# KiCad board Sentinel 65X - Prototype 4.kicad_pcb (continued)
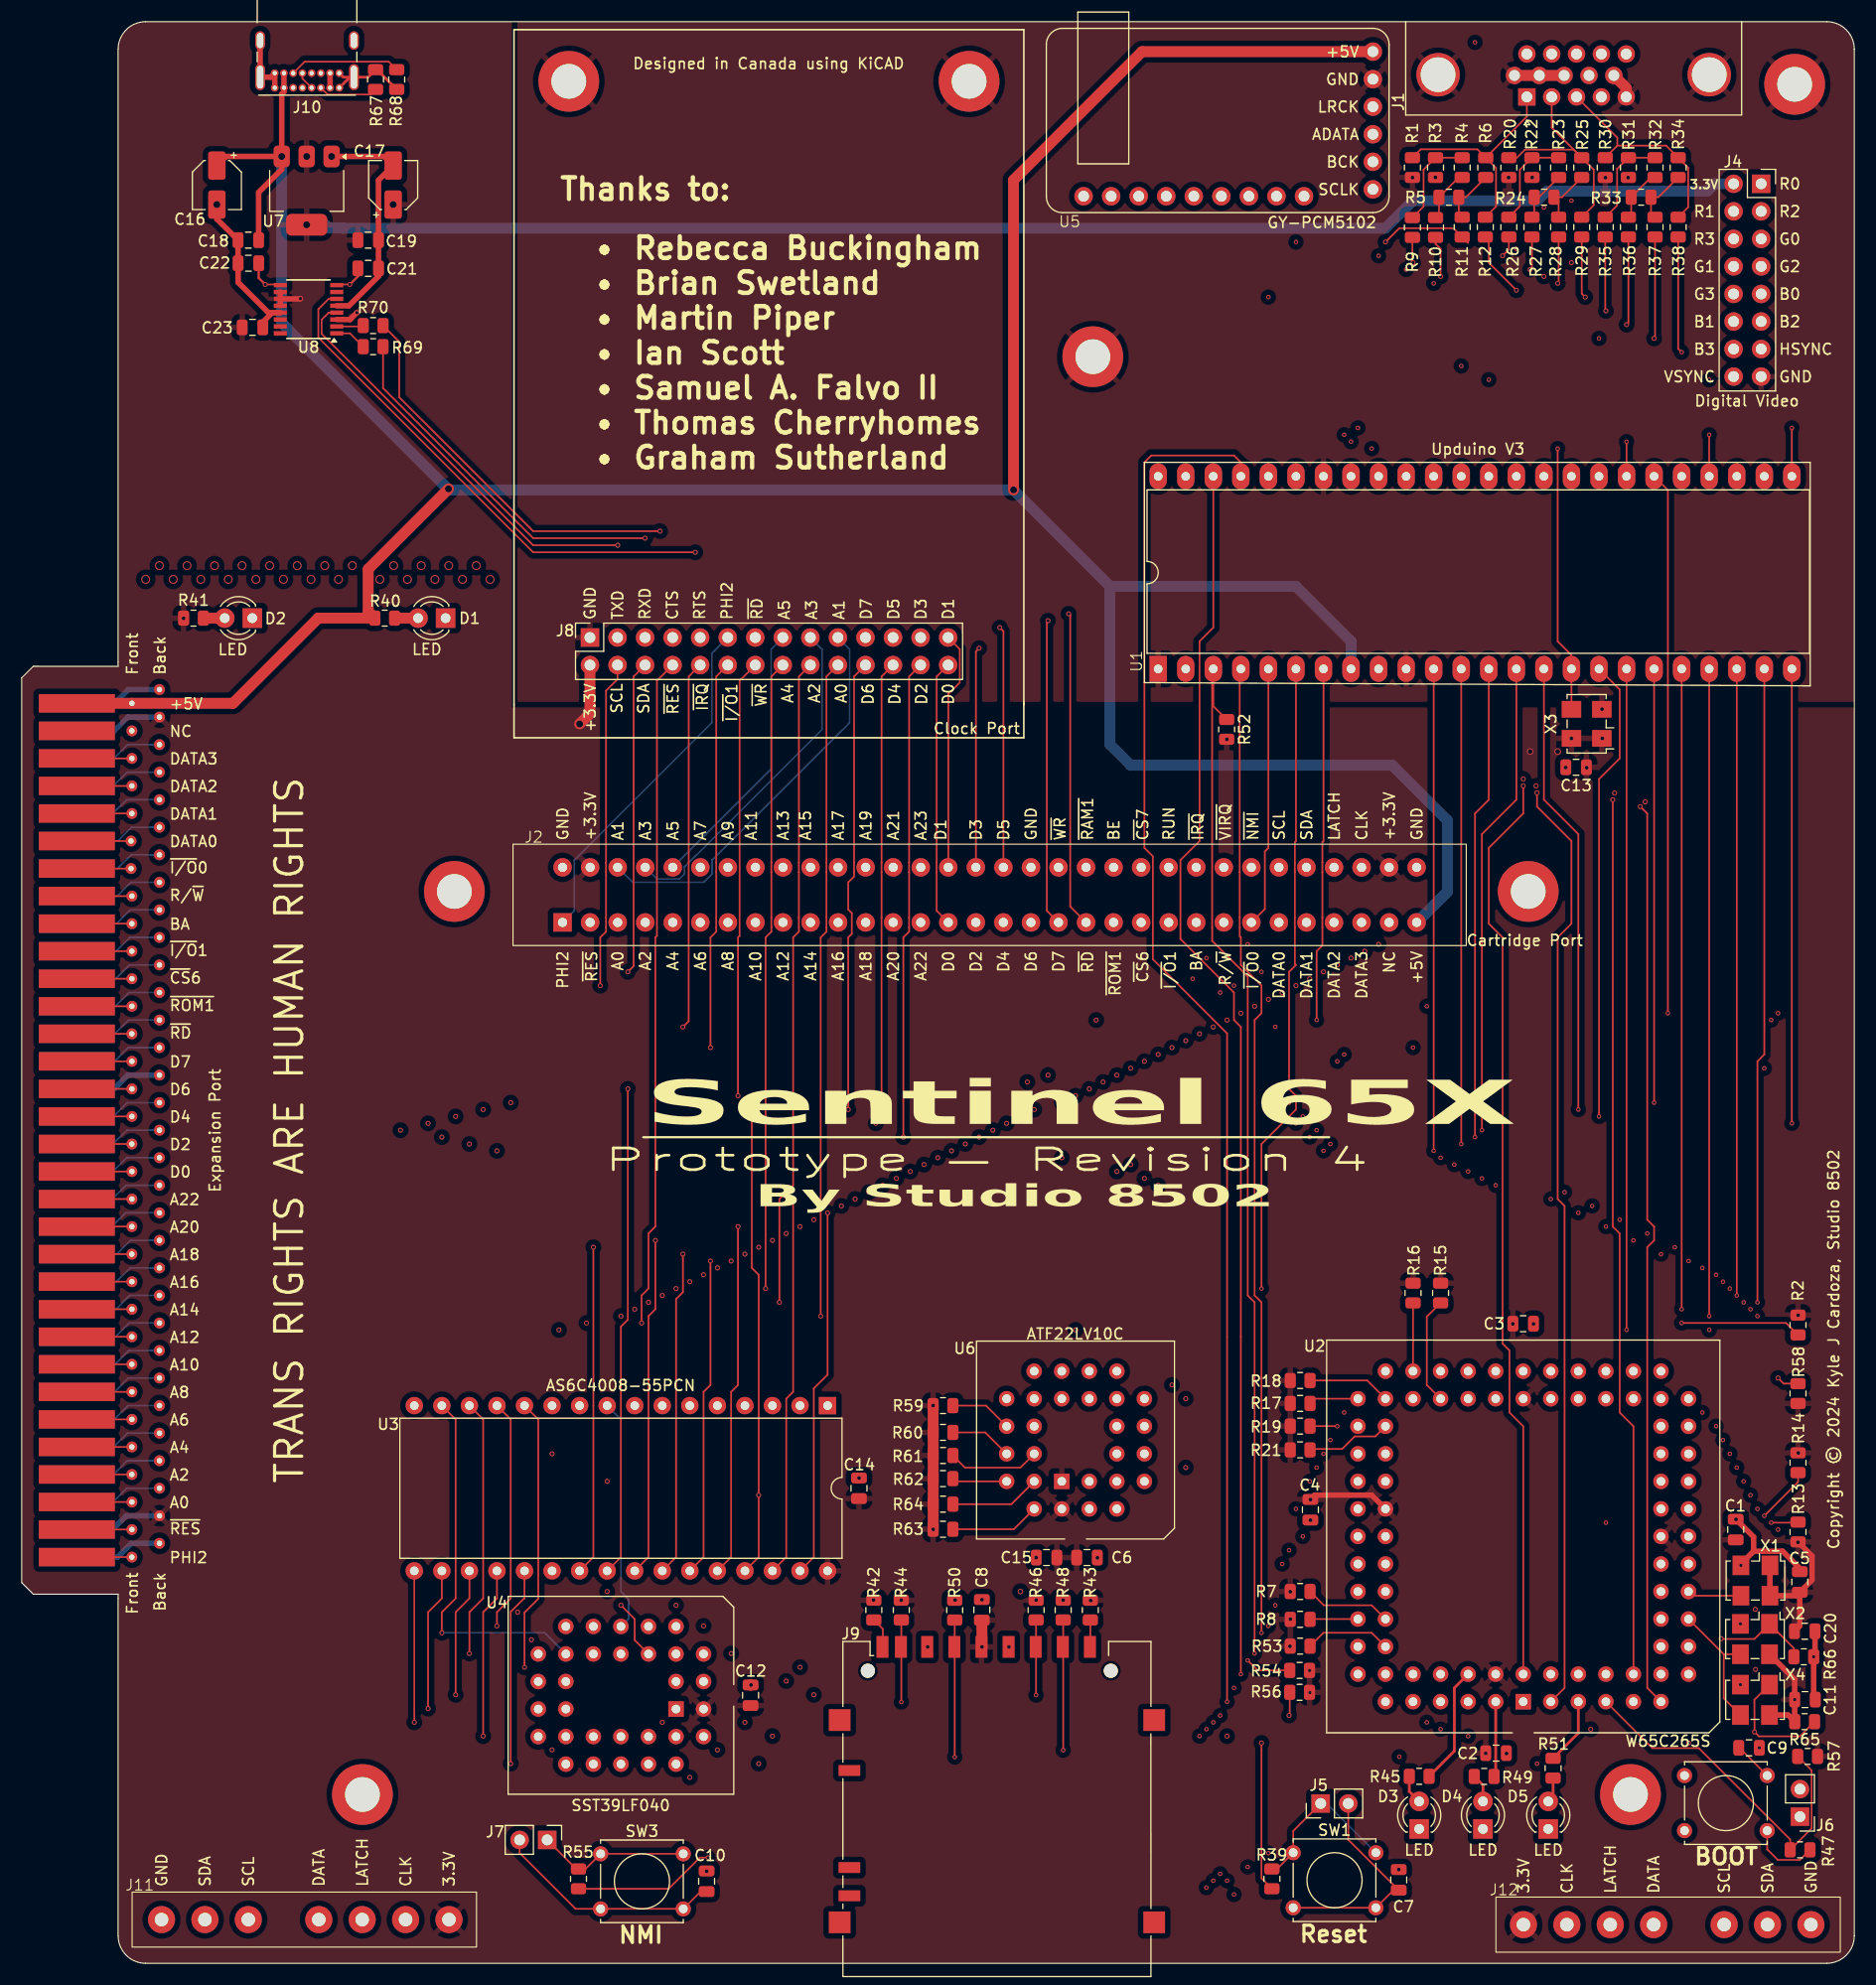
[diagram p0: board, top side]
## Footprints (pads in the part's own frame, mm; a bottom-side part is the same pattern mirrored in y, then rotated) (continued)
R_0805_2012Metric
  rrect 1.025x1.4 smd: 1(-0.912,0) 2(0.912,0)
SD_Hirose_DM1AA_SF_PEJ82
  round 1.3 hole 1.3 unplated: (-11.9,12.75) (10.5,12.75)
  rect 1.1x2 smd: 1(6.075,14.95) 2(3.575,14.95) 3(1.075,14.95) 4(-1.425,14.95) 5(-3.925,14.95) 6(-6.425,14.95) 7(-8.85,14.95) 8(-10.55,14.95) 9(8.575,14.95)
  rect 2x1 smd: CP(-13.6,3.55) SW(-13.6,-8) WP(-13.6,-5.4)
  rect 2x2 smd: SH(-14.5,8.2) SH(-14.5,-10.45) SH(14.5,8.2) SH(14.5,-10.45)
SNES Controller Port (Female, 90º, THT)
  round 2.5 hole 1.25: 1(-15.24,0) 2(-11.24,0) 3(-7.24,0) 4(-3.24,0) 5(3.26,0) 6(7.26,0) 7(11.26,0)
SOT-223-3_TabPin2
  rrect 2x1.5 smd: 1(-3.15,2.3) 2(-3.15,0) 3(-3.15,-2.3)
  rrect 2x3.8 smd: 2(3.15,0)
SSOP-16_3.9x4.9mm_P0.635mm
  rect 1.2x0.4 smd: 1(-2.6,2.223) 2(-2.6,1.587) 3(-2.6,0.953) 4(-2.6,0.318) 5(-2.6,-0.318) 6(-2.6,-0.953) 7(-2.6,-1.587) 8(-2.6,-2.223) 9(2.6,-2.223) 10(2.6,-1.587) 11(2.6,-0.953) 12(2.6,-0.318) 13(2.6,0.318) 14(2.6,0.953) 15(2.6,1.587) 16(2.6,2.223)
SW_Tactile_Straight_KSA0Axx1LFTR
  round 1.397 hole 0.813: 1(0,0) 1(7.62,0) 2(0,-5.08) 2(7.62,-5.08)
USB_C_Receptacle_GCT_USB4085
  round 0.7 hole 0.4: A1(0,0) A4(0.85,0) A5(1.7,0) A6(2.55,0) A7(3.4,0) A8(4.25,0) A9(5.1,0) A12(5.95,0) B1(5.95,-1.35) B4(5.1,-1.35) B5(4.25,-1.35) B6(3.4,-1.35) B7(2.55,-1.35) B8(1.7,-1.35) B9(0.85,-1.35) B12(0,-1.35)
  oval 0.9x2.4 hole 0.6x2.1: S1(-1.35,-0.98) S1(7.3,-0.98)
  oval 0.9x1.7 hole 0.6x1.4: S1(-1.35,-4.36) S1(7.3,-4.36)

## Nets
+3.3V: C1.1 C2.1 C3.1 C4.1 C5.1 C6.1 C8.1 C11.1 C12.1 C13.1 C14.1 C15.1 C17.1 C19.1 C20.1 C23.1 J2.a2 J2.a31 J3.a2 J3.a31 J4.2 J8.2 J9.4 J11.1 J12.1 R2.1 R7.1 R8.1 R13.2 R14.1 R15.2 R16.2 R17.2 R18.2 R19.2 R21.2 R41.1 R42.2 R43.2 R44.2 R46.2 R48.2 R52.2 R53.2 R54.2 R56.2 R57.2 R58.2 R59.2 R60.2 R61.2 R62.2 R63.2 R64.2 R65.2 U2.23 U2.44 U2.63 U2.84 U3.32 U4.32 U6.1 U6.28 U7.2 U8.3 U8.10 U8.11 U8.12 X1.1 X1.4 X2.4 X3.1 X3.4 X4.4
+5V: C16.1 C18.1 J2.b32 J3.b32 J10.A4 J10.A9 J10.B4 J10.B9 R40.1 U1.8 U5.6 U7.3
GND: C1.2 C2.2 C3.2 C4.2 C5.2 C6.2 C7.2 C8.2 C9.2 C10.2 C11.2 C12.2 C13.2 C14.2 C15.2 C16.2 C17.2 C18.2 C19.2 C20.2 C21.2 C22.2 C23.2 D1.1 D2.1 D3.1 D4.1 D5.1 H1.1 H3.1 H4.1 H5.1 H6.1 H7.1 H8.1 H9.1 J1.0 J1.5 J1.6 J1.7 J1.8 J1.10 J2.a1 J2.a18 J2.a32 J3.a1 J3.a18 J3.a32 J4.15 J8.1 J9.3 J9.6 J10.A1 J10.A12 J10.B1 J10.B12 J10.S1 J11.7 J12.7 R1.2 R3.1 R20.2 R22.1 R30.2 R31.1 R50.2 R66.2 R67.2 R68.2 U1.1 U1.10 U1.42 U2.1 U2.22 U2.43 U2.64 U3.16 U4.16 U5.5 U6.8 U6.14 U6.15 U6.22 U7.1 U8.5 U8.13 X1.2 X2.2 X3.2 X4.2
/A0: J2.b3 J3.b3 J8.20 U1.21 U2.24 U3.12 U4.12
/A1: J2.a3 J3.a3 J8.19 U1.20 U2.25 U3.11 U4.11
/A2: J2.b4 J3.b4 J8.18 U1.23 U2.26 U3.10 U4.10
/A3: J2.a4 J3.a4 J8.17 U1.22 U2.27 U3.9 U4.9
/A4: J2.b5 J3.b5 J8.16 U1.6 U2.28 U3.8 U4.8
/A5: J2.a5 J3.a5 J8.15 U2.29 U3.7 U4.7
/A6: J2.b6 J3.b6 U2.30 U3.6 U4.6
/A7: J2.a6 J3.a6 U2.31 U3.5 U4.5
/A8: J2.b7 J3.b7 U2.32 U3.27 U4.27
/A9: J2.a7 J3.a7 U2.33 U3.26 U4.26
/A10: J2.b8 J3.b8 U2.34 U3.23 U4.23
/A11: J2.a8 J3.a8 U2.35 U3.25 U4.25
/A12: J2.b9 J3.b9 U2.36 U3.4 U4.4
/A13: J2.a9 J3.a9 U2.37 U3.28 U4.28
/A14: J2.b10 J3.b10 U2.38 U3.3 U4.29
/A15: J2.a10 J3.a10 U2.39 U3.31 U4.3
/A16: J2.b11 J3.b11 U2.40 U3.2 U4.2
/A17: J2.a11 J3.a11 U2.41 U3.30 U4.30
/A18: J2.b12 J3.b12 U2.42 U3.1 U4.1
/A19: J2.a12 J3.a12 U2.45 U6.10
/A20: J2.b13 J3.b13 U2.46 U6.11
/A21: J2.a13 J3.a13 U2.47 U6.12
/A22: J2.b14 J3.b14 U2.48 U6.13
/A23: J2.a14 J3.a14 U2.49 U6.16
/ADATA: U1.31 U5.3
/B0: J4.9 R35.2 U1.26
/B1: J4.12 R36.2 U1.27
/B2: J4.11 R37.2 U1.32
/B3: J4.14 R38.2 U1.29
/BA: J2.b24 J3.b24
/BCK: U1.25 U5.2
/BE: J2.a21 J3.a21 R14.2 U2.17
/BL1: R45.1 U2.82
/BL2: R49.1 U2.83
/BL3: R51.1 U2.5
/BLUE: J1.3 R30.1 R34.1 R38.1
/CDONE: R53.1 U1.4 U2.73
/CLK: U2.18 X1.3
/CTS: J8.7 R70.2 U2.3
/D0: J2.b15 J3.b15 J8.28 U1.11 U2.58 U3.13 U4.13
/D1: J2.a15 J3.a15 J8.27 U1.12 U2.59 U3.14 U4.14
/D2: J2.b16 J3.b16 J8.26 U1.13 U2.60 U3.15 U4.15
/D3: J2.a16 J3.a16 J8.25 U1.14 U2.61 U3.17 U4.17
/D4: J2.b17 J3.b17 J8.24 U1.24 U2.62 U3.18 U4.18
/D5: J2.a17 J3.a17 J8.23 U1.17 U2.65 U3.19 U4.19
/D6: J2.b18 J3.b18 J8.22 U1.15 U2.66 U3.20 U4.20
/D7: J2.b19 J3.b19 J8.21 U1.19 U2.67 U3.21 U4.21
/D+: C21.1 J10.A6 J10.B6 U8.8
/D-: C22.1 J10.A7 J10.B7 U8.9
/FCLK: U2.16 X2.3 X4.3
/FCLK_FAST: R66.1 U2.9 X2.1
/FCLK_SLOW: R65.1 U2.6 X4.1
/FPGA_MISO: J9.7 R44.1 U1.45 U2.75
/FPGA_MOSI: J9.2 R46.1 U1.46 U2.74
/FPGA_SCK: J9.5 R50.1 U1.47 U2.52
/G0: J4.5 R26.2 U1.40
/G1: J4.8 R27.2 U1.39
/G2: J4.7 R28.2 U1.38
/G3: J4.10 R29.2 U1.44
/GREEN: J1.2 R20.1 R25.1 R29.1
/HSYNC: J1.13 J4.13 U1.37
/I2C_SCL: J2.a27 J3.a27 J8.4 J11.5 J12.5 R56.1 U2.77
/I2C_SDA: J2.a28 J3.a28 J8.6 J11.6 J12.6 R54.1 U2.76
/LRCK: U1.28 U5.4
/PHI2: J2.b1 J3.b1 J8.11 U1.18 U2.20 U6.2
/R0: J4.1 R9.2 U1.33
/R1: J4.4 R10.2 U1.34
/R2: J4.3 R11.2 U1.43
/R3: J4.6 R12.2 U1.35
/R/~{W}: J2.b25 J3.b25 R13.1 U1.7 U2.13 U6.3
/RED: J1.1 R1.1 R6.1 R12.1
/RTS: J8.9 U2.2 U8.6
/RUN: J2.a23 J3.a23
/RXD: J8.5 R69.2 U2.10
/SNES_CLK: J2.a30 J3.a30 J11.2 J12.2 U2.78
/SNES_DATA0: J2.b27 J3.b27 J11.4 U2.80
/SNES_DATA1: J2.b28 J3.b28 J12.4 U2.81
/SNES_DATA2: J2.b29 J3.b29
/SNES_DATA3: J2.b30 J3.b30
/SNES_LATCH: J2.a29 J3.a29 J11.3 J12.3 U2.79
/SYSCLK: U1.16 U5.1 X3.3
/TXD: J8.3 U2.11 U8.4
/VSYNC: J1.14 J4.16 U1.36
/~{BOOT_SEL}: R47.2 R57.1 U2.7
/~{CS}4: R17.1 U2.54 U6.6
/~{CS}5: R18.1 U2.55 U6.7
/~{CS}6: J2.b22 J3.b22 R19.1 U2.56 U6.9
/~{CS}7: J2.a22 J3.a22 R21.1 U2.57
/~{FPGA_RESET}: R52.1 U1.3 U2.72
/~{FPGA_SS}: U1.48 U2.53
/~{I/O}0: J2.b26 J3.b26 R15.1 U1.5 U2.50
/~{I/O}1: J2.b23 J3.b23 J8.12 R16.1 U2.51
/~{IRQ}: J2.a24 J3.a24 J8.10 R7.2 U2.71
/~{NMI}: J2.a26 J3.a26 R8.2 R55.2 U2.70
/~{RAM}0: R60.1 U3.22 U6.23
/~{RAM}1: J2.a20 J3.a20 R59.1 U6.21
/~{RD}: J2.b20 J3.b20 J8.13 R63.1 U3.24 U4.24 U6.26
/~{RES}: J2.b2 J3.b2 J8.8 R2.2 R39.2 U2.12
/~{ROM}0: R62.1 U4.22 U6.25
/~{ROM}1: J2.b21 J3.b21 R61.1 U6.24
/~{SD_SS}: J9.1 R48.1 U2.4
/~{VIRQ}: J2.a25 J3.a25 R58.1 U1.30 U2.8
/~{WR}: J2.a19 J3.a19 J8.14 R64.1 U3.29 U4.31 U6.27
Net-(D1-A): D1.2 R40.2
Net-(D2-A): D2.2 R41.2
Net-(D3-A): D3.2 R45.2
Net-(D4-A): D4.2 R49.2
Net-(D5-A): D5.2 R51.2
Net-(J5-Pin_1): J5.1 R39.1 SW1.1
Net-(J5-Pin_2): C7.1 J5.2 SW1.2
Net-(J6-Pin_1): J6.1 R47.1 SW2.1
Net-(J6-Pin_2): C9.1 J6.2 SW2.2
Net-(J7-Pin_1): J7.1 R55.1 SW3.1
Net-(J7-Pin_2): C10.1 J7.2 SW3.2
Net-(J9-DAT1): J9.8 R42.1
Net-(J9-DAT2): J9.9 R43.1
Net-(J10-CC1): J10.A5 R67.1
Net-(J10-CC2): J10.B5 R68.1
Net-(R3-Pad2): R3.2 R4.2 R9.1
Net-(R10-Pad1): R4.1 R5.2 R10.1
Net-(R11-Pad1): R5.1 R6.2 R11.1
Net-(R22-Pad2): R22.2 R23.2 R26.1
Net-(R23-Pad1): R23.1 R24.2 R27.1
Net-(R24-Pad1): R24.1 R25.2 R28.1
Net-(R31-Pad2): R31.2 R32.2 R35.1
Net-(R32-Pad1): R32.1 R33.2 R36.1
Net-(R33-Pad1): R33.1 R34.2 R37.1
Net-(U8-TXD): R69.1 U8.1
Net-(U8-~{RTS}): R70.1 U8.2

Pads without a net: J1 4 9 11 12 15; J2 b31; J3 b31; J9 CP SH SW WP; J10 A8 B8; U1 2 9 41; U2 14 15 19 21 68 69; U5 7 8 9 10 11 12 13 14 15; U6 4 5 17 18 19 20; U8 7 14 15 16

## Via types
v1: diameter 0.5, hole 0.35, F.Cu (SMD) to B.Cu (MISC), 45 vias
v2: diameter 0.45, hole 0.3, F.Cu (SMD) to B.Cu (MISC), 177 vias
v3: diameter 0.8, hole 0.65, F.Cu (SMD) to B.Cu (MISC), 34 vias
v4: diameter 0.6, hole 0.45, F.Cu (SMD) to B.Cu (MISC), 2 vias
v5: diameter 0.4, hole 0.25, F.Cu (SMD) to B.Cu (MISC), 136 vias

## Routing (per net, layer and track width the routed paths; a pad name or vN(x,y) marks a point on that pad's centre or on a via; arc(x,y) is an arc through that point)
+3.3V: length 213.3
  F.Cu (SMD) w0.5: C5.1 165.05,35.35 165.05,37.58 R13.2 ; C5.1 163.61,33.9 X1.4 X1.1 ; C5.1 163.93,31.12 C20.1 ; 134.78,19.58 134.99,19.36 v1(134.97,19.36) 134.97,19.39 C2.1 ; 137.32,58.83 137.46,58.97 v1(137.47,58.97) 137.47,58.98 C3.1 ; X4.4 162.85,22.9 R65.2 163.46,22.3 v2(163.46,24.32) 163.46,26.18 X2.4 ; U8.11 25.67,153.51 v2(25.7,153.54) ; U2.63 124.46,43.18 119.2,43.18 C4.1 118.82,42.8 v1(118.82,42.77) 118.79,42.77 119.04,43.02 ; U8.3 30.27,151.6 v2(30.9,152.24) ; U8.10 23.84,152.89
  F.Cu (SMD) w1: R63.2 v1(84.04,40.02) v1(84.03,51.44) R59.2 ; J8.2 52.39,115.25 v3(51.43,114.3) ; C8.1 v1(88.53,29.18) 88.52,29.2
  In3.Cu. (E-W) w1: U6.1 U6.28 ; v4(139.06,111.76) v4(141.61,111.76)
  B.Cu (MISC) w0.5: J3.a2 9.64,41.28 8.37,40 J3.a2 ; J3.a31 8.53,113.67 9.8,114.94 J3.a31
  B.Cu (MISC) w1: v3(26.27,160.34) 27.99,160.34 28.3,160.04 29.6,160.04 29.61,160.02 125.73,160.02 128.27,162.56 139.73,162.56 140.61,163.44 155.39,163.44 156.07,164.12 J4.2
  vias: v1(14.93,124.04) v1(78.53,33.51) v1(81.09,33.49) v1(93.53,33.51) v1(96.02,33.49) v1(98.55,33.46) v1(111.1,112.89) v1(116.95,34.27) v1(116.96,31.74) v1(116.93,29.23) v1(142.87,112.96) v1(144.28,110.27) v1(145.72,112.96) v1(163.76,38.83) v1(163.77,59.77) v1(163.8,47.07) v2(118.73,27) v2(118.76,24.96) v3(26.27,166.64) v3(34.24,162.2)
+5V: length 332.7
  F.Cu (SMD) w0.5: 17.99,165.8 18.83,166.64 v3(23.97,166.64) ; J10.B9 J10.A4 ; v3(23.97,166.64) 23.97,172.4 24.18,172.6 J10.A9 J10.B4 ; v3(23.97,166.64) 23.97,165.46 21.84,163.33 C18.1
  F.Cu (SMD) w1: v3(91.44,135.89) 91.44,164.47 103.28,176.31 U5.6 ; J3.b32 J3.b32 19.48,116.21 27.34,124.06 R40.1 31.94,124.67 31.94,128.58 v3(39.35,135.99)
  In1.Cu (GND) w0.5: J10.A4 28.43,171.1 v3(23.97,166.64)
  B.Cu (MISC) w1: U1.8 122.55,121.92 117.48,127 100.33,127 ; 100.33,127 v3(91.44,135.89) 39.37,135.89 23.97,151.29 v3(23.97,166.64) ; 100.33,127 100.33,112.4 102.23,110.49 126.36,110.49 131.44,105.41 131.44,98.83 128.61,96
GND: length 104.5
  F.Cu (SMD) w0.25: J10.A1 30.26,173.96 J10.S1 ; J10.S1 29.65,173.96 J10.B12 ; J10.S1 31.93,173.96 R67.2 32.75,174.65 R68.2
  F.Cu (SMD) w0.5: U8.5 30.17,152.87 32.89,155.6 C21.2 C19.2 32.89,164.45 34.24,165.8 33.41,166.64 v3(28.57,166.64) ; v2(158.5,36.7) 158.5,36.83 159.67,38 ; C11.2 165.21,24.47 v2(165.21,28.27) 165.33,28.39 C20.2 ; v3(17.99,162.2) 17.99,160.87 C18.2 19.94,156.8 C22.2 19.95,155.03 22.74,152.24 U8.13 23.1,152.24 22.23,151.36 C23.2 ; 159.67,38 162.35,38 163.93,36.42 C5.2 ; 159.67,38 159.67,39.32 v1(158.04,40.95) ; 142.35,110.6 C13.2 142.35,110.29 v1(142.34,110.28) 142.35,110.27 142.35,109.97 ; J10.S1 J10.S1 22.96,173.96 J10.B1 J10.A12
  F.Cu (SMD) w1: 67.1,25.67 67.2,25.67 v1(67.24,25.67) 67.19,25.67 C12.2 ; J1.8 J1.7 J1.6 ; J1.5 147.92,172.97 J1.10 ; v1(77.2,44.76) C14.2 77.19,44.76 v1(77.2,44.76)
  In1.Cu (GND) w0.5: J10.S1 J10.S1
  B.Cu (MISC) w0.5: J3.a18 8.51,80.65 9.78,81.91 J3.a18 ; J3.a1 10.1,38.74 8.83,37.47 J3.a1 ; J3.a32 9.84,117.48 8.57,116.21 J3.a32
  vias: v1(63.15,8.5) v1(83.52,29.18) v1(86.05,33.51) v1(88.53,33.53) v1(91.02,29.18) v1(93.52,37.42) v1(99.17,37.4) v1(118.82,40.87) v1(126.95,8.65) v1(128.22,164.7) v1(130.33,164.71) v1(136.89,19.35) v1(137.08,164.7) v1(139.26,164.7) v1(139.38,58.96) v1(145.69,115.67) v1(146.01,164.69) v1(148.1,164.69) v2(138.43,109.23) v2(139.61,108.58) v2(146.85,107.93) v2(149.67,107.12) v2(158.45,31.3) v2(158.45,25.7) v2(160.2,19.87) v3(11.43,127.64) v3(12.7,128.91) v3(13.97,127.64) v3(15.24,128.91) v3(16.51,127.64) v3(17.78,128.91) v3(19.05,127.64) v3(20.32,128.91) v3(21.59,127.64) v3(22.86,128.91) v3(24.13,127.64) v3(25.4,128.91) v3(26.67,127.64) v3(27.94,128.91) v3(29.21,127.64) v3(30.48,128.91) v3(33.02,127.64) v3(34.29,128.91) v3(35.56,127.64) v3(36.83,128.91) v3(38.1,127.64) v3(39.37,128.91) v3(40.64,127.64) v3(41.91,128.91) v3(43.18,127.64)
/A0: length 387.7
  F.Cu (SMD) w0.15: J3.b3 J3.b3 ; v2(46.36,27.31) 46.36,32.35 47.62,33.62 47.62,50.16 U3.12 ; U1.21 v5(155.57,59.69) ; J8.20 74.19,118.68 74.19,101.53 74.19,101.52 74.19,100.63 74.19,100.63 74.19,96.45 74.19,96.44 74.19,95.55 74.19,95.55 74.19,95.15 73.66,94.62 v2(73.66,59.69)
  In2.Cu (N-S) w0.15: U3.12 48.26,53.34 49.53,53.34 55.24,59.06 v2(55.24,59.69) 55.24,94.62 54.95,94.91 54.95,96 ; v5(160.02,41.91) v5(160.02,59.69)
  In3.Cu. (E-W) w0.15: J3.b3 12.7,42.55 29.84,59.69 v5(160.02,59.69) ; U2.24 v5(160.02,41.91) ; U4.12 51.48,27.31 v2(46.36,27.31)
/A1: length 365.1
  F.Cu (SMD) w0.15: U1.20 v5(153.04,60.33)
  In2.Cu (N-S) w0.15: v2(45.72,32.39) 45.72,33.02 47.62,34.93 47.62,50.16 U3.11 56.52,59.06 v2(56.52,60.33) 56.52,94.62 56.41,94.72 56.41,95.55 56.41,95.55 56.41,96.44 56.41,96.45 56.41,99.61 54.95,101.08 ; v5(159.38,43.18) v5(159.38,60.33)
  In3.Cu. (E-W) w0.15: J3.a3 29.21,60.33 v5(159.38,60.33) ; U4.11 51.39,32.39 v2(45.72,32.39) ; U2.25 152.4,43.18 v5(159.38,43.18)
  B.Cu (MISC) w0.15: 54.95,101.08 56.32,99.7 62.87,99.7 63.64,100.47 63.64,101.74 76.32,114.42 76.32,121.2 J8.19 ; J3.a3 9.68,43.81 8.41,42.55 J3.a3
/A2: length 381.3
  F.Cu (SMD) w0.15: v5(160.02,60.96) 160.02,83.19 160.65,83.82 U1.23 ; J3.b4 J3.b4 ; v2(69.85,60.96) 69.85,70.49 71.12,71.75 71.12,94.62 71.65,95.15 71.65,95.55 71.65,95.55 71.65,96.44 71.65,96.45 71.65,100.63 71.65,100.63 71.65,101.52 71.65,101.53 71.65,118.68 J8.18
  In2.Cu (N-S) w0.15: v2(46.99,29.84) 46.99,31.75 50.16,34.93 50.16,50.16 U3.10 57.79,57.78 v2(57.79,60.96) 57.79,94.62 57.49,94.91 57.49,96 ; v5(158.75,44.45) v5(158.75,60.96)
  In3.Cu. (E-W) w0.15: J3.b4 12.46,45.09 28.33,60.96 v5(160.02,60.96) ; U2.26 v5(158.75,44.45) ; U4.10 53.93,29.84 v2(46.99,29.84)
/A3: length 346.7
  F.Cu (SMD) w0.15: U1.22 v5(158.12,61.59)
  In2.Cu (N-S) w0.15: v5(158.12,45.72) v5(158.12,61.59) ; U3.9 59.05,56.52 v2(59.05,61.59) 59.05,94.62 58.56,95.11 58.56,100 57.49,101.08
  In3.Cu. (E-W) w0.15: U2.27 152.4,45.72 v5(158.12,45.72) ; J3.a4 27.94,61.59 v5(158.12,61.59)
  B.Cu (MISC) w0.15: J8.17 73.78,121.2 73.78,113.8 62.14,102.15 62.12,102.15 61.1,101.14 61.1,100.47 60.63,100 58.56,100 57.49,101.08 ; J3.a4 9.72,46.36 8.45,45.09 J3.a4 ; U4.9 55.96,31.78 55.96,33.58 55.24,34.29 55.24,50.16 U3.9
/A4: length 365.5
  F.Cu (SMD) w0.15: v2(55.24,33.02) 56.52,31.75 56.52,29.8 U4.8 ; v5(114.3,62.23) 114.3,75.56 117.48,78.74 117.48,80.01 116.84,80.65 116.84,91.44 117.48,92.08 117.37,92.18 117.37,95.55 117.37,95.55 117.37,96.44 117.37,96.45 117.37,100.63 117.37,100.63 117.37,101.52 117.37,101.53 117.37,103.4 117.48,103.51 U1.6 ; v2(68.58,62.23) 68.58,94.62 69.11,95.15 69.11,95.55 69.11,95.55 69.11,96.44 69.11,96.45 69.11,100.63 69.11,100.63 69.11,101.52 69.11,101.53 69.11,118.68 J8.16 ; J3.b5 J3.b5
  In2.Cu (N-S) w0.15: v5(157.48,46.99) v5(157.48,62.23) ; v2(55.24,33.02) 55.24,48.9 56.52,50.16 U3.8 60.33,55.25 v2(60.33,62.23) 60.33,94.62 60.03,94.91 60.03,96
  In3.Cu. (E-W) w0.15: U2.28 v5(157.48,46.99) ; J3.b5 12.7,47.62 27.3,62.23 v5(157.48,62.23)
/A5: length 276.6
  In2.Cu (N-S) w0.15: U4.7 57.79,50.16 U3.7 61.59,53.97 v2(61.59,62.87) 61.59,94.62 61.49,94.72 61.49,95.55 61.49,95.55 61.49,96.44 61.49,96.45 61.49,99.61 60.03,101.08 ; v5(156.84,48.26) v5(156.84,62.87)
  In3.Cu. (E-W) w0.15: v5(156.84,62.87) 26.67,62.87 J3.a5 ; U2.29 152.4,48.26 v5(156.84,48.26)
  B.Cu (MISC) w0.15: J3.a5 8.49,47.62 9.76,48.9 J3.a5 ; J8.15 69.09,121.2 69.09,110.14 60.03,101.08
/A6: length 242.9
  F.Cu (SMD) w0.15: J3.b6 J3.b6
  In2.Cu (N-S) w0.15: v5(156.21,49.53) v5(156.21,63.5) ; 62.57,96 62.57,94.91 62.86,94.62 v2(62.86,63.5) 62.86,52.71 U3.6 60.33,50.16 v2(60.33,33.02)
  In3.Cu. (E-W) w0.15: v2(60.33,33.02) 59.05,31.75 59.05,29.8 U4.6 ; U2.30 v5(156.21,49.53) ; J3.b6 12.7,50.16 26.03,63.5 v5(156.21,63.5)
/A7: length 247
  In2.Cu (N-S) w0.15: v5(154.94,50.8) v5(154.94,64.14) ; 62.57,101.08 64.03,99.61 64.03,96.45 64.03,96.44 64.03,95.55 64.03,95.55 64.03,94.72 64.14,94.62 v2(64.14,64.14) U3.5 62.86,50.16 v2(62.86,31.12)
  In3.Cu. (E-W) w0.15: v5(154.94,64.14) 25.4,64.14 J3.a6 ; U2.31 152.4,50.8 v5(154.94,50.8) ; U4.5 62.82,31.07 v2(62.86,31.12)
  B.Cu (MISC) w0.15: J3.a6 8.53,50.16 9.8,51.44 J3.a6
/A8: length 250.4
  F.Cu (SMD) w0.15: v2(63.5,64.77) 63.5,53.34 62.86,52.71 62.86,37.47 U3.27 ; J3.b7 J3.b7
  In2.Cu (N-S) w0.15: U3.27 v2(61.59,17.15) ; U2.32 v5(153.67,64.77) ; v2(65.4,64.77) 65.4,94.62 65.11,94.91 65.11,96
  In3.Cu. (E-W) w0.15: v5(153.67,64.77) 24.76,64.77 12.7,52.71 J3.b7 ; v2(61.59,17.15) 59.01,17.15 U4.27
/A9: length 246.8
  F.Cu (SMD) w0.15: U3.26 60.33,37.47 60.33,61.26 60.96,61.89 v2(60.96,65.41)
  In2.Cu (N-S) w0.15: U2.33 v5(151.13,65.41) ; U3.26 v2(59.05,22.22) ; 65.11,101.08 66.18,100 66.18,95.11 66.67,94.62 v2(66.67,65.41)
  In3.Cu. (E-W) w0.15: v2(59.05,22.22) 56.56,22.22 U4.26 ; J3.a7 24.13,65.41 v5(151.13,65.41)
  B.Cu (MISC) w0.15: J3.a7 8.57,52.71 9.84,53.97 J3.a7
/A10: length 248.7
  F.Cu (SMD) w0.15: U3.23 52.7,37.47 v2(52.7,66.04) ; J3.b8 J3.b8
  In2.Cu (N-S) w0.15: 67.65,96 67.65,94.91 67.95,94.62 v2(67.95,66.04) ; U3.23 51.43,34.93 48.89,32.39 v2(48.89,19.69) ; U2.34 152.4,53.34 v5(152.4,66.04)
  In3.Cu. (E-W) w0.15: U4.23 51.39,19.69 v2(48.89,19.69) ; J3.b8 12.7,55.25 23.5,66.04 v5(152.4,66.04)
/A11: length 245
  F.Cu (SMD) w0.15: v2(58.42,66.68) 58.42,60.33 57.79,59.69 57.79,37.47 U3.25
  In2.Cu (N-S) w0.15: 67.65,101.08 69.11,99.61 69.11,96.45 69.11,96.44 69.11,95.55 69.11,95.55 69.11,94.72 69.21,94.62 v2(69.21,66.68) ; U3.25 56.52,19.64 U4.25 ; U2.35 v5(148.59,66.68)
  In3.Cu. (E-W) w0.15: v5(148.59,66.68) 22.86,66.68 J3.a8
  B.Cu (MISC) w0.15: J3.a8 8.61,55.25 9.88,56.52 J3.a8
/A12: length 236.7
  F.Cu (SMD) w0.15: J3.b9 J3.b9
  In2.Cu (N-S) w0.15: v2(65.4,28.58) 65.4,50.16 U3.4 70.48,55.25 v2(70.48,67.31) 70.48,94.62 70.19,94.91 70.19,96 ; v5(149.86,67.31) 149.86,53.34 U2.36
  In3.Cu. (E-W) w0.15: v5(149.86,67.31) 22.18,67.31 12.65,57.78 J3.b9 ; U4.4 65.36,28.53 v2(65.4,28.58)
/A13: length 248.2
  F.Cu (SMD) w0.15: v2(66.04,67.94) 66.04,53.34 65.4,52.71 65.4,37.47 U3.28
  In2.Cu (N-S) w0.15: U3.28 v2(64.14,19.69) ; 70.19,101.08 71.26,100 71.26,95.11 71.76,94.62 v2(71.76,67.94) ; U2.37 v5(146.05,67.94)
  In3.Cu. (E-W) w0.15: v2(64.14,19.69) 59.01,19.69 U4.28 ; J3.a9 21.59,67.94 v5(146.05,67.94)
  B.Cu (MISC) w0.15: J3.a9 9.92,59.06 8.65,57.78 J3.a9
/A14: length 250.1
  F.Cu (SMD) w0.15: J3.b10 J3.b10
  In2.Cu (N-S) w0.15: 72.73,96 72.73,94.91 73.02,94.62 v2(73.02,68.58) 73.02,55.25 U3.3 69.21,43.18 67.95,41.91 v2(67.95,18.41) ; v5(147.32,68.58) 147.32,53.34 U2.38
  In3.Cu. (E-W) w0.15: U4.29 67.9,18.37 v2(67.95,18.41) ; J3.b10 12.7,60.33 20.95,68.58 v5(147.32,68.58)
/A15: length 244.2
  F.Cu (SMD) w0.15: v2(74.3,69.22) 74.3,54.29 73.02,53.02 73.02,37.47 U3.31
  In2.Cu (N-S) w0.15: U2.39 v5(143.51,69.22) ; U3.31 v2(71.76,27.31) ; v2(74.3,69.22) 74.3,94.62 74.19,94.72 74.19,95.55 74.19,95.55 74.19,96.44 74.19,96.45 74.19,99.61 72.73,101.08
  In3.Cu. (E-W) w0.15: J3.a10 20.32,69.22 v5(143.51,69.22) ; U4.3 61.64,27.31 v2(71.76,27.31)
  B.Cu (MISC) w0.15: J3.a10 9.96,61.59 8.69,60.33 J3.a10
/A16: length 241.3
  F.Cu (SMD) w0.15: J3.b11 J3.b11
  In2.Cu (N-S) w0.15: 75.27,96 75.27,94.91 75.57,94.62 v2(75.57,69.85) 75.57,55.25 U3.2 70.48,50.16 v2(70.48,26.03) ; U2.40 144.78,53.34 v5(144.78,69.85)
  In3.Cu. (E-W) w0.15: U4.2 65.36,25.99 66.04,26.67 69.85,26.67 v2(70.48,26.03) ; v5(144.78,69.85) 19.69,69.85 12.7,62.87 J3.b11
/A17: length 242.9
  F.Cu (SMD) w0.15: v2(71.12,70.49) 71.12,52.71 70.48,52.07 70.48,37.47 U3.30
  In2.Cu (N-S) w0.15: v2(76.83,70.49) 76.83,94.62 76.34,95.11 76.34,100 75.27,101.08 ; U2.41 v5(140.97,70.49) ; U3.30 v2(69.21,20.96)
  In3.Cu. (E-W) w0.15: v2(69.21,20.96) 69.17,20.91 U4.30 ; J3.a11 19.05,70.49 v5(140.97,70.49)
  B.Cu (MISC) w0.15: J3.a11 8.73,62.87 10,64.14 J3.a11
/A18: length 245.8
  F.Cu (SMD) w0.15: J3.b12 J3.b12
  In2.Cu (N-S) w0.15: v2(73.02,24.77) 73.02,50.16 U3.1 78.11,55.25 v2(78.11,71.12) 78.11,94.62 77.81,94.91 77.81,96 ; U2.42 142.24,53.34 v5(142.24,71.12)
  In3.Cu. (E-W) w0.15: J3.b12 12.7,65.41 18.41,71.12 v5(142.24,71.12) ; v2(73.02,24.77) 61.64,24.77 U4.1
/A19: length 205.5
  In2.Cu (N-S) w0.15: v2(79.37,71.75) 79.37,94.62 79.27,94.72 79.27,95.55 79.27,95.55 79.27,96.44 79.27,96.45 79.27,99.61 77.81,101.08 ; v2(104.77,71.75) 104.77,51.44 104.14,50.8 102.23,50.8 U6.10 ; U2.45 v5(135.89,71.75)
  In3.Cu. (E-W) w0.15: v5(135.89,71.75) 17.78,71.75 J3.a12
  B.Cu (MISC) w0.15: J3.a12 10.04,66.68 8.77,65.41 J3.a12
/A20: length 196.3
  F.Cu (SMD) w0.15: J3.b13 J3.b13
  In2.Cu (N-S) w0.15: v5(134.62,72.39) 134.62,53.34 U2.46 ; U6.11 v2(103.51,72.39) ; 80.35,96 80.35,94.91 80.64,94.62 v2(80.64,72.39)
  In3.Cu. (E-W) w0.15: J3.b13 12.7,67.94 17.14,72.39 v5(134.62,72.39)
/A21: length 195.9
  In2.Cu (N-S) w0.15: U6.12 v2(100.96,73.03) ; U2.47 v5(133.35,73.03) ; 80.35,101.08 81.81,99.61 81.81,96.45 81.81,96.44 81.81,95.55 81.81,95.55 81.81,94.72 81.92,94.62 v2(81.92,73.03)
  In3.Cu. (E-W) w0.15: v5(133.35,73.03) 16.51,73.03 J3.a13
  B.Cu (MISC) w0.15: J3.a13 9.58,69.22 8.31,67.94 J3.a13
/A22: length 195
  F.Cu (SMD) w0.15: J3.b14 J3.b14
  In2.Cu (N-S) w0.15: v5(132.08,73.66) 132.08,53.34 U2.48 ; U6.13 102.23,53.34 v2(102.23,73.66) ; v2(83.18,73.66) 83.18,94.62 82.89,94.91 82.89,96
  In3.Cu. (E-W) w0.15: v5(132.08,73.66) 15.87,73.66 12.7,70.49 J3.b14
/A23: length 194.1
  In2.Cu (N-S) w0.15: U6.16 v2(95.89,74.3) ; v2(84.45,74.3) 84.45,94.62 83.96,95.11 83.96,100 82.89,101.08 ; U2.49 v5(130.81,74.3)
  In3.Cu. (E-W) w0.15: J3.a14 15.24,74.3 v5(130.81,74.3)
  B.Cu (MISC) w0.15: J3.a14 9.62,71.75 8.35,70.49 J3.a14
/ADATA: length 57.8
  F.Cu (SMD) w0.15: U1.31 v5(147.95,140.34)
  In2.Cu (N-S) w0.15: U5.3 122.55,166.67 v5(122.55,140.34)
  In3.Cu. (E-W) w0.15: v5(147.95,140.34) v5(122.55,140.34)
/B0: length 40.2
  F.Cu (SMD) w0.15: v2(146.05,152.4) 145.99,152.46 R35.2
  In2.Cu (N-S) w0.15: J4.9 161,153.96 161.93,153.04 161.93,140.34 160.65,139.06 U1.26
  In3.Cu. (E-W) w0.15: J4.9 159.15,152.74 146.39,152.74 v2(146.05,152.4)
/B1: length 33.4
  F.Cu (SMD) w0.15: R36.2 148.12,151.3 v2(147.95,151.13)
  In2.Cu (N-S) w0.15: J4.12 159.1,150.15 159.1,140.05 158.12,139.06 U1.27
  In3.Cu. (E-W) w0.15: v2(147.95,151.13) 148.25,151.42 J4.12
/B2: length 37.7
  F.Cu (SMD) w0.15: v2(150.5,149.86) 150.58,149.95 R37.2
  In2.Cu (N-S) w0.15: U1.32 v5(145.42,149.86)
  In3.Cu. (E-W) w0.15: v5(145.42,149.86) 156.21,149.86 156.5,150.15 159.1,150.15 J4.11
/B3: length 27.1
  F.Cu (SMD) w0.15: v5(153.04,148.59) 152.71,148.91 R38.2
  In2.Cu (N-S) w0.15: U1.29 v5(153.04,148.59)
  In3.Cu. (E-W) w0.15: J4.14 156.5,148.88 156.21,148.59 v5(153.04,148.59)
/BA: length 118.1
  F.Cu (SMD) w0.15: J3.b24 J3.b24
  In2.Cu (N-S) w0.15: 108.29,96 108.29,94.91 108.58,94.62 v2(108.58,85.72)
  In3.Cu. (E-W) w0.15: v2(108.58,85.72) 22.86,85.72 12.7,95.89 J3.b24
/BCK: length 69.6
  F.Cu (SMD) w0.15: U1.25 v5(163.19,141.61)
  In2.Cu (N-S) w0.15: v5(123.19,141.61) 123.19,164.77 U5.2
  In3.Cu. (E-W) w0.15: v5(163.19,141.61) v5(123.19,141.61)
/BE: length 243.1
  F.Cu (SMD) w0.15: v5(160.65,41.28) 163.76,44.38 R14.2
  In2.Cu (N-S) w0.15: 100.67,101.08 102.13,99.61 102.13,96.45 102.13,96.44 102.13,95.55 102.13,95.55 102.13,94.72 102.23,94.62 v2(102.23,82.55) ; 159.81,32.65 159.81,32.65 v2(159.83,32.65) 159.83,32.67 160.65,33.5 v5(160.65,41.28) v5(160.65,82.55)
  In3.Cu. (E-W) w0.15: v5(160.65,82.55) v2(102.23,82.55) 19.69,82.55 J3.a21 ; v2(159.83,32.65) 154.9,32.65 154.55,33 152.38,33 U2.17
  B.Cu (MISC) w0.15: J3.a21 9.88,89.53 8.61,88.27 J3.a21
/BL1: length 10.9
  F.Cu (SMD) w0.25: U2.82 132.08,25.4 132.08,19.57 R45.1
/BL2: length 7
  F.Cu (SMD) w0.25: U2.83 135.89,17.38 R49.1
/BL3: length 6.2
  F.Cu (SMD) w0.25: R51.1 143.51,21.24 U2.5
/BLUE: length 19.9
  F.Cu (SMD) w0.15: 147.1,167.64 151.6,167.64 R34.1 153.64,165.6 153.64,161.96 R38.1 ; 147.1,167.64 R30.1 ; 147.1,167.64 147.1,168.37 J1.3
/CDONE: length 110.3
  F.Cu (SMD) w0.15: U1.4 112.29,119.28 112.29,100.63 112.29,100.63 112.29,96.45 112.29,96.44 112.29,95.55 112.29,95.55 112.29,94.72 112.39,94.62 112.39,92.08 114.3,90.17 114.3,87.63 113.67,87 113.67,61.59 114.3,60.96 v5(114.3,30.48) ; R53.1 120,30.48 124.46,30.48 U2.73
  In3.Cu. (E-W) w0.15: v5(114.3,30.48) 124.46,30.48 U2.73
/CLK: length 5
  F.Cu (SMD) w0.15: U2.18 154.06,33.9 X1.3
/CTS: length 222.1
  F.Cu (SMD) w0.15: U2.3 142.24,25.4 142.24,69.85 141.61,70.49 141.61,94.62 142.88,95.89 142.88,103.51 139.7,106.68 v2(139.7,107.95) ; v2(58.85,132.09) 47.15,132.09 34.8,144.44 34.8,149.55 R70.2
  In3.Cu. (E-W) w0.15: v2(139.7,107.95) 68.58,107.95 61.47,115.06 61.47,120.81 J8.7 58.85,123.43 v2(58.85,132.09)
/D0: length 298.5
  F.Cu (SMD) w0.15: v2(43.81,31.12) 43.81,32.39 45.08,33.66 45.08,50.16 U3.13 ; 85.43,96 84.35,97.07 84.35,100.63 84.35,100.63 84.35,101.52 84.35,101.53 84.35,118.68 J8.28 ; U1.11 v5(130.18,74.93) ; J3.b15 J3.b15
  In2.Cu (N-S) w0.15: 85.43,96 85.43,94.91 85.73,94.62 v2(85.73,74.93) ; v5(120.02,46.99) v5(120.02,74.93) ; U3.13 v2(43.81,74.93)
  In3.Cu. (E-W) w0.15: v2(43.81,31.12) 43.86,31.07 U4.13 ; U2.58 v5(120.02,46.99) ; v5(130.18,74.93) 14.61,74.93 12.7,73.03 J3.b15
/D1: length 308.1
  F.Cu (SMD) w0.15: 85.43,117.18 85.43,101.08 ; U1.12 v5(132.71,75.56) ; 86.48,118.12 85.43,117.06 ; 86.48,118.23 86.48,121.2 J8.27 ; v2(41.27,28.58) 41.27,32.39 42.55,33.66 42.55,50.16 U3.14
  In2.Cu (N-S) w0.15: U3.14 v2(41.27,75.56) ; 85.43,101.08 86.5,100 86.5,95.11 86.99,94.62 v2(86.99,75.56) ; v5(120.65,48.26) v5(120.65,75.56)
  In3.Cu. (E-W) w0.15: v5(132.71,75.56) 13.97,75.56 J3.a15 ; v5(120.65,48.26) 124.46,48.26 U2.59 ; U4.14 41.32,28.53 v2(41.27,28.58)
  B.Cu (MISC) w0.15: J3.a15 9.66,74.3 8.39,73.03 J3.a15
/D2: length 332.2
  F.Cu (SMD) w0.15: v2(81.28,76.2) 81.28,94.62 81.81,95.15 81.81,95.55 81.81,95.55 81.81,96.44 81.81,96.45 81.81,100.63 81.81,100.63 81.81,101.52 81.81,101.53 81.81,118.68 J8.26 ; v5(133.99,76.2) 133.99,106.05 135.25,107.32 U1.13 ; v2(38.73,30.48) 38.73,32.39 40,33.66 40,50.16 U3.15 ; J3.b16 J3.b16
  In2.Cu (N-S) w0.15: v2(88.27,76.2) 88.27,95.7 87.97,96 ; v5(118.74,44.45) v5(118.74,76.2) ; U3.15 v2(38.73,76.2)
  In3.Cu. (E-W) w0.15: J3.b16 12.7,75.56 13.34,76.2 v5(133.99,76.2) ; U2.60 v5(118.74,44.45)
  B.Cu (MISC) w0.15: U4.15 48.22,30.48 v2(38.73,30.48)
/D3: length 338.2
  F.Cu (SMD) w0.15: v2(88.27,121.29) 87.97,120.99 87.97,101.08 ; v5(134.62,76.84) 134.62,104.14 137.8,107.32 U1.14 ; U3.17 v2(36.19,22.22)
  In2.Cu (N-S) w0.15: 87.97,101.08 89.04,100 89.04,95.11 89.54,94.62 v2(89.54,76.84) ; v2(34.92,76.84) 34.92,37.47 U3.17 ; v5(119.38,45.72) v5(119.38,76.84)
  In3.Cu. (E-W) w0.15: v2(88.27,121.29) 88.18,121.2 83.94,121.2 J8.25 ; J3.a16 v5(134.62,76.84) ; v5(119.38,45.72) 124.46,45.72 U2.61 ; U4.17 52.03,24.13 52.07,24.13 52.07,22.86 51.43,22.22 v2(36.19,22.22)
  B.Cu (MISC) w0.15: J3.a16 9.7,76.84 8.43,75.56 J3.a16
/D4: length 368.3
  F.Cu (SMD) w0.15: U1.24 v5(163.19,77.47) ; v2(78.74,77.47) 79.27,78 79.27,96.44 79.27,96.45 79.27,100.63 79.27,100.63 79.27,101.52 79.27,101.53 79.27,118.68 J8.24 ; v2(37.47,23.5) 37.47,32.39 38.73,33.66 U3.18 ; J3.b17 J3.b17
  In2.Cu (N-S) w0.15: v2(37.47,77.47) 37.47,37.47 U3.18 ; 90.51,96 90.51,94.91 90.8,94.62 v2(90.8,77.47) ; v5(117.48,41.91) v5(117.48,77.47)
  In3.Cu. (E-W) w0.15: U4.18 37.51,23.45 v2(37.47,23.5) ; U2.62 v5(117.48,41.91) ; v5(163.19,77.47) 13.33,77.47 12.7,78.1 J3.b17
/D5: length 353
  F.Cu (SMD) w0.15: U1.17 147.32,117.48 147.32,111.12 145.42,109.22 v5(145.42,78.11) ; 90.51,101.08 90.51,122.85 v2(90.17,123.19) ; v2(40,24.77) 40,32.39 41.27,33.66 U3.19
  In2.Cu (N-S) w0.15: 90.51,101.08 91.97,99.61 91.97,96.45 91.97,96.44 91.97,95.55 91.97,95.55 91.97,94.72 92.08,94.62 v2(92.08,78.11) ; v5(118.11,39.37) v5(118.11,78.11) ; v2(40,78.11) 40,37.47 U3.19
  In3.Cu. (E-W) w0.15: v5(118.11,39.37) 120.65,39.37 121.92,40.64 124.46,40.64 U2.65 ; J3.a17 13.97,78.11 v5(145.42,78.11) ; J8.23 81.4,123.35 90.01,123.35 v2(90.17,123.19) ; U4.19 48.85,24.77 v2(40,24.77)
  B.Cu (MISC) w0.15: J3.a17 8.47,78.11 9.74,79.38 J3.a17
/D6: length 353.3
  F.Cu (SMD) w0.15: U3.20 43.81,33.66 42.55,32.39 v2(42.55,20.96) ; U1.15 140.33,107.32 143.51,104.14 v5(143.51,78.74) ; v2(76.2,78.74) 76.2,94.62 76.53,94.94 76.53,96.86 76.2,97.19 76.2,99.69 76.73,100.23 76.73,100.63 76.73,100.63 76.73,101.52 76.73,101.53 76.73,118.68 J8.22 ; J3.b18 J3.b18
  In2.Cu (N-S) w0.15: v5(116.2,36.83) v5(116.2,78.74) ; 93.05,96 93.05,94.91 93.34,94.62 v2(93.34,78.74) ; v2(42.55,78.74) 42.55,37.47 U3.20
  In3.Cu. (E-W) w0.15: J3.b18 12.7,80.65 14.61,78.74 v5(143.51,78.74) ; v2(42.55,20.96) 42.59,20.91 U4.20 ; U2.66 v5(116.2,36.83)
/D7: length 367.4
  F.Cu (SMD) w0.15: U3.21 46.36,33.66 46.32,33.66 45.08,32.42 v2(45.08,18.41) ; U1.19 v5(150.5,79.38) ; 95.59,96 94.51,97.07 94.51,100.63 94.51,100.63 94.51,101.52 94.51,101.53 94.51,123.72 v2(94.61,123.83) ; J3.b19 J3.b19
  In2.Cu (N-S) w0.15: v5(116.84,38.1) v5(116.84,79.38) ; 95.59,96 95.59,94.91 95.89,94.62 v2(95.89,79.38) ; v2(45.08,79.38) 45.08,37.47 U3.21
  In3.Cu. (E-W) w0.15: J3.b19 12.7,83.19 16.51,79.38 v5(150.5,79.38) ; J8.21 79.34,123.83 v2(94.61,123.83) ; v5(116.84,38.1) 124.46,38.1 U2.67 ; U4.21 45.13,18.37 v2(45.08,18.41)
/D+: length 24.3
  F.Cu (SMD) w0.15: J10.B6 25.88,173.83 J10.A6 ; v2(30.25,154.84) 29.1,154.84 U8.8
  F.Cu (SMD) w0.2: C21.1 30.99,155.58 v2(30.25,154.84)
  In2.Cu (N-S) w0.15: v2(30.25,154.84) 28.95,156.13 28.95,164.88 26.73,167.1 J10.A6
/D-: length 24.9
  F.Cu (SMD) w0.15: v2(22.45,154.84) 23.78,154.84 U8.9
  F.Cu (SMD) w0.2: v2(22.45,154.84) 21.85,155.43 C22.1
  In1.Cu (GND) w0.15: J10.A7 26.73,173.83 J10.B7
  In2.Cu (N-S) w0.15: J10.A7 25.88,167.17 23.75,165.04 23.75,156.13 v2(22.45,154.84)
/FCLK: length 12.4
  F.Cu (SMD) w0.15: X4.3 156.92,24.44 156.92,28.5 ; 156.92,28.5 X2.3 ; 156.92,28.5 U2.16
/FCLK_FAST: length 20.3
  F.Cu (SMD) w0.15: R66.1 163.38,29.05 X2.1 159.74,29.91 156.74,29.91 v2(156.68,29.94) 156.68,29.91 156.71,29.91
  In3.Cu. (E-W) w0.15: U2.9 149.85,25.39 149.85,26.71 151.41,28.27 155.01,28.27 v2(156.68,29.94)
/FCLK_SLOW: length 32
  F.Cu (SMD) w0.15: v2(159.75,21.34) 159.74,21.35 ; v2(159.75,21.34) 159.74,24.31 X4.1 ; v2(159.75,21.34) 160.16,20.94 163.94,20.94 R65.1
  In2.Cu (N-S) w0.15: v2(144.65,21.59) 144.65,25.53 U2.6
  In3.Cu. (E-W) w0.15: v2(159.75,21.34) 144.9,21.34 v2(144.65,21.59)
/FPGA_MISO: length 180.4
  F.Cu (SMD) w0.15: v5(81.09,24.1) R44.1 ; U1.45 112.39,138.43 111.76,139.06 104.14,139.06 103.51,138.43 103.51,102.87 104.28,102.09 104.28,92.6 111.12,85.76 v5(111.12,24.13)
  In3.Cu. (E-W) w0.15: v5(81.09,24.1) 81.12,24.13 v5(111.12,24.13) U2.75
/FPGA_MOSI: length 151.8
  F.Cu (SMD) w0.15: v5(112.39,26.67) 112.39,86.36 111.76,87 111.76,89.53 106.82,94.47 106.82,101.74 108.58,103.51 108.58,121.92 109.86,123.19 U1.46 ; R46.1 v5(93.52,24.73)
  In3.Cu. (E-W) w0.15: v5(93.52,24.73) 93.55,24.77 109.86,24.77 111.76,26.67 v5(112.39,26.67) 116.2,26.67 116.7,26.18 119.52,26.18 120.02,26.67 U2.74
/FPGA_SCK: length 186.9
  F.Cu (SMD) w0.15: v5(86.02,19.02) 86.02,31.67
  In2.Cu (N-S) w0.15: v5(127,19.05) 127,28.58 128.27,29.84 U2.52 127,53.34 127,91.44 130.18,94.62 130.18,113.03 128.9,114.3 128.9,120.65 127.64,121.92 121.92,121.92 107.32,136.53 U1.47
  In3.Cu. (E-W) w0.15: v5(127,19.05) 86.05,19.05 v5(86.02,19.02)
/G0: length 58.2
  F.Cu (SMD) w0.15: v2(136.52,157.48) 137.1,158.06 R26.2
  In2.Cu (N-S) w0.15: U1.40 v5(125.09,157.48)
  In3.Cu. (E-W) w0.15: J4.5 159.14,157.82 159.14,157.81 156.54,157.81 156.21,157.48 v5(125.09,157.48)
/G1: length 52.5
  F.Cu (SMD) w0.15: v2(139.06,156.21) 139.23,156.38 R27.2
  In2.Cu (N-S) w0.15: U1.39 v5(127.64,156.21)
  In3.Cu. (E-W) w0.15: J4.8 156.5,156.5 156.21,156.21 v5(127.64,156.21)
/G2: length 52.9
  F.Cu (SMD) w0.15: R28.2 141.69,155.03 v2(141.61,154.94)
  In2.Cu (N-S) w0.15: U1.38 v5(130.18,154.94)
  In3.Cu. (E-W) w0.15: v5(130.18,154.94) 156.21,154.94 156.57,155.3 159.16,155.3 J4.7
